# Altium PCB Copy of GameBoard_V1I1_083018.PcbDoc (part 13 of 21) (continued)
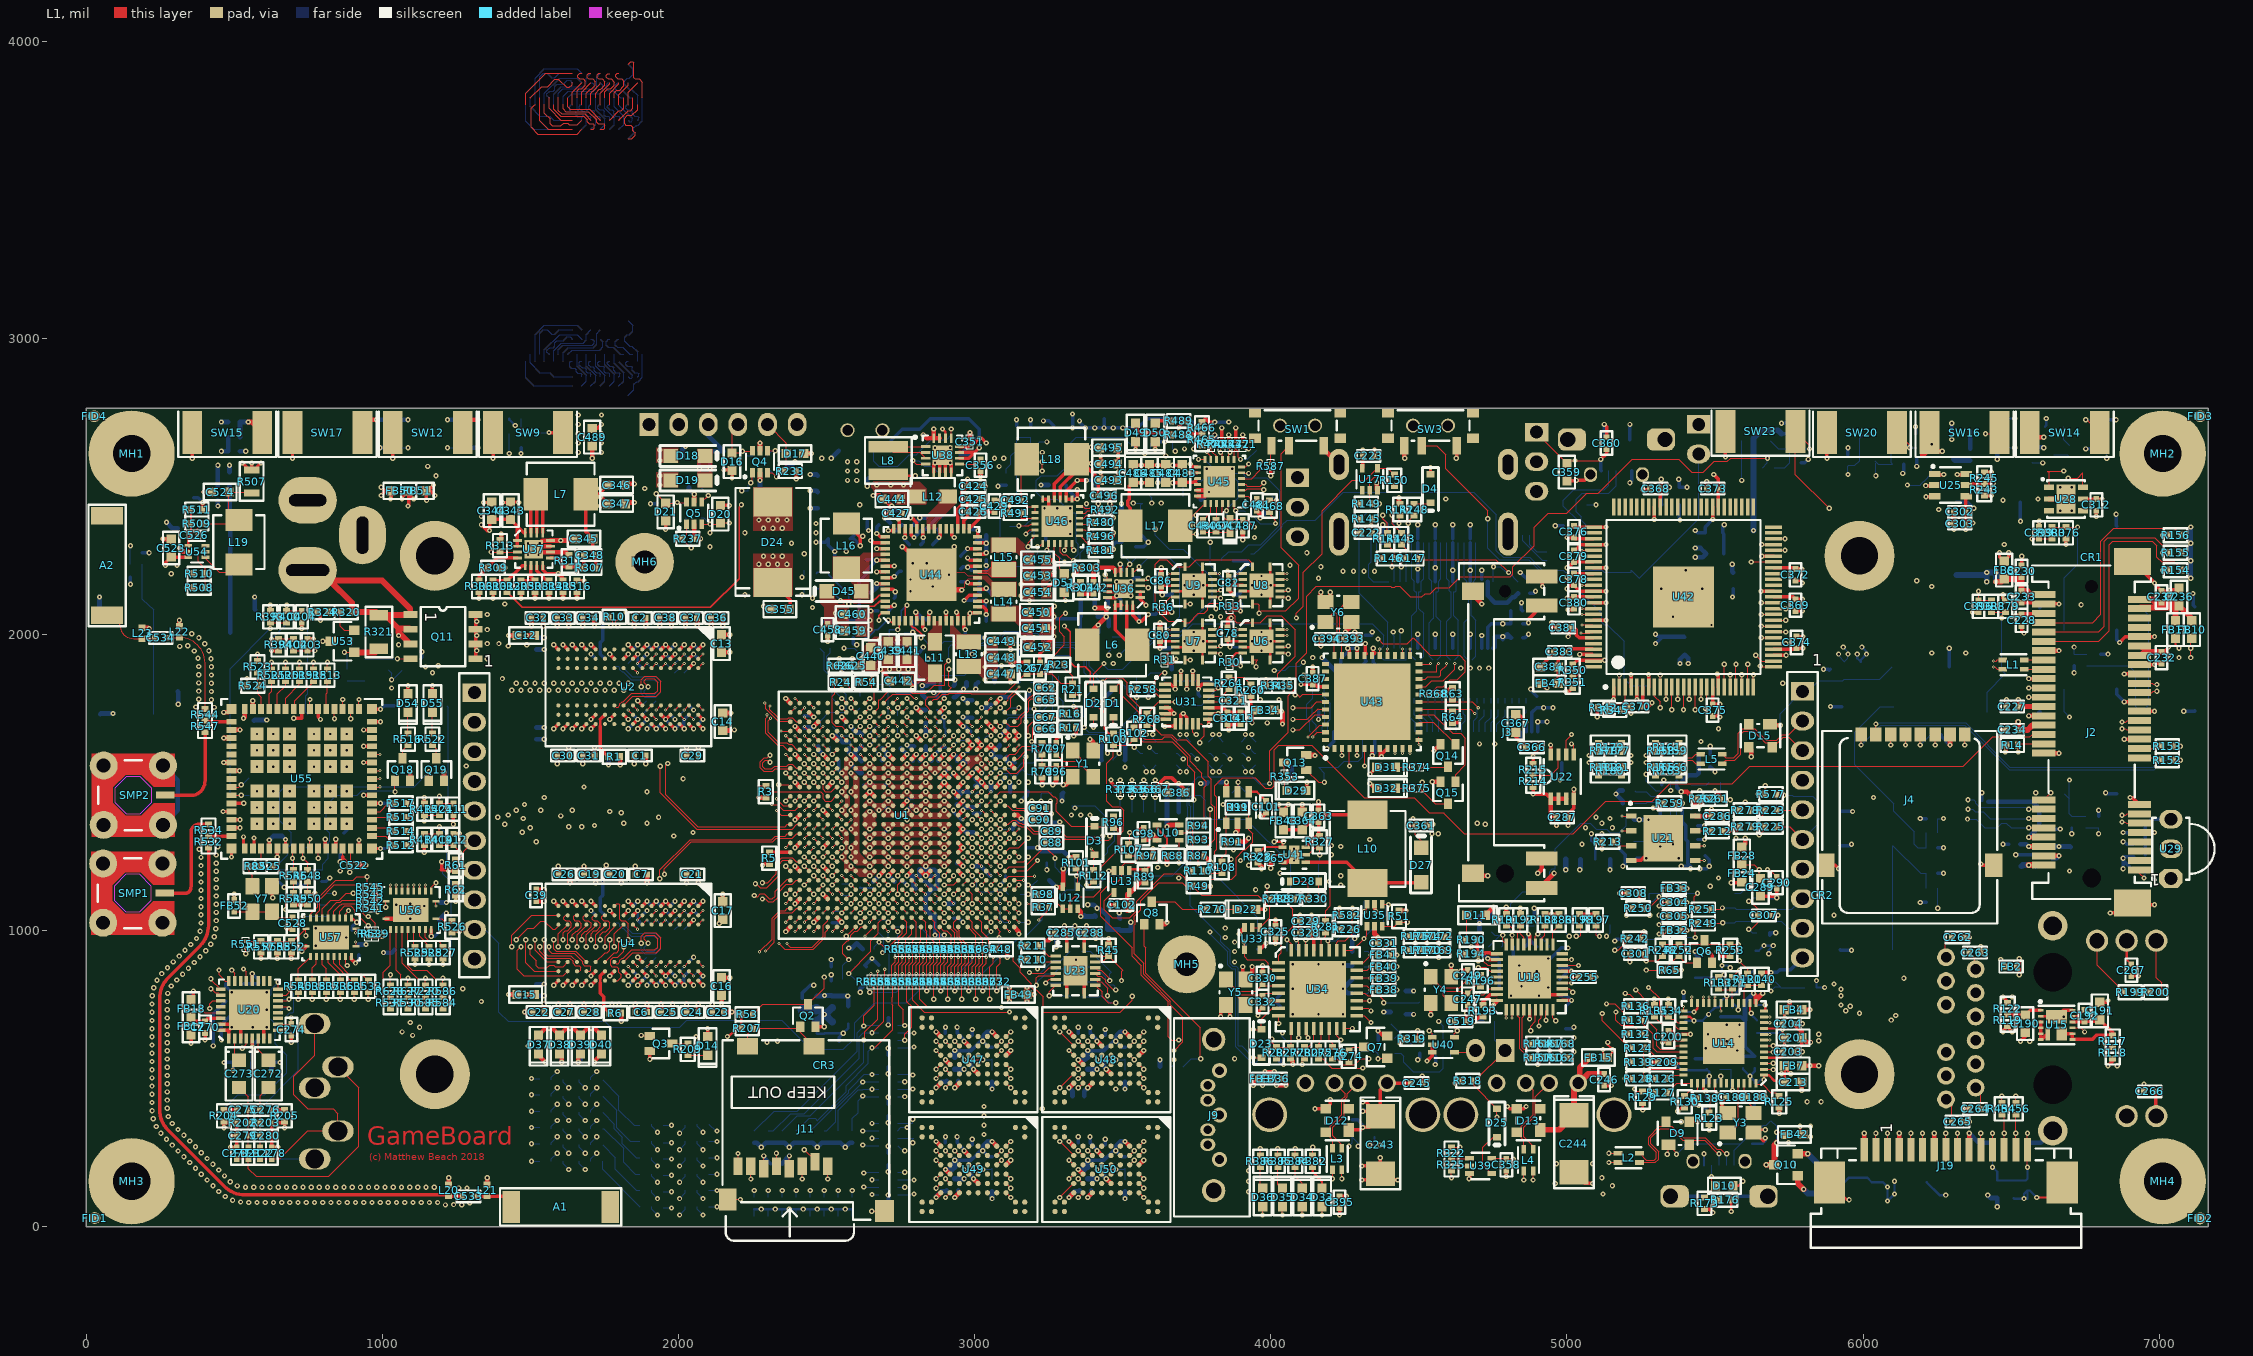
[diagram p0: L1 view]
## Nets (pads, with @x,y where several pads share a name; then routed paths per layer and width w, separated by ;. In a path a pad name is that pad's centre, name@x,y a point inside that pad or via, vN(x,y) a via of type N, cw(c..) or ccw(c..) an arc to the next point about the centre after c; other vN are vias at no path point) (continued)
  L1 w11.81: v1(358.27,2594.49) SW15.1@358.27,2681.1 ; v1(401.57,629.92) C270.2@401.57,653.54 ; U20.32@454.33,663.39 U20.33@482.28,663.39 ; U20.31@454.33,683.07 U20.33@501.97,683.07 ; v2(465.47,334.06) R204.1@465.47,354.49 469.41,350.55 R202.1@508.78,350.55 C277.2@508.78,267.87 508.62,267.72 v2(488.19,267.72) ; U20.1@482.28,635.43 U20.33@482.28,663.39 ; v2(488.19,307.09) C279.2@508.62,307.09 ; U20.3@521.65,635.43 U20.33@521.65,702.76 ; U20.7@600.39,635.43 600.39,683.07 v1(551.18,732.28) U20.33@521.65,702.76 ; v2(647.32,267.87) C278.2@626.89,267.87 R203.1@626.89,350.55 666.26,350.55 R205.1@670.2,354.49 v2(670.2,334.06) ; v1(692.91,622.05) C274.2@692.91,645.67 ; v1(696.85,2594.49) SW17.1@696.85,2681.1 ; R549.1@700.79,1086.61 v1(724.41,1086.61) R550.1@748.03,1086.61 ; v1(728.35,2019.69) C404.2@728.35,2039.37 ; C403.2@748.03,1984.25 v1(767.72,1984.25) ; R324.1@779.53,2074.8 791.34,2062.99 v1(791.34,2047.24) ; v1(799.21,1976.38) U53.3@826.77,1976.38 ; v1(1035.43,2594.49) SW12.1@1035.43,2681.1 ; C412.2@1240.16,1326.77 v1(1259.84,1326.77) ; v1(1240.16,1358.27) C411.2@1240.16,1389.76 ; v1(1374.02,2594.49) SW9.1@1374.02,2681.1 ; v2(1578.74,814.96) U4.T9@1594.49,830.71 ; v2(1578.74,1098.43) U4.T1@1594.49,1082.68 ; v2(1578.74,1681.1) U2.T9@1594.49,1696.85 ; v2(1578.74,1964.57) U2.T1@1594.49,1948.82 ; v2(1641.73,814.96) U4.P9@1657.48,830.71 ; v2(1641.73,1098.43) U4.P1@1657.48,1082.68 ; v2(1641.73,1681.1) U2.P9@1657.48,1696.85 ; v2(1641.73,1964.57) U2.P1@1657.48,1948.82 ; v2(1704.72,814.96) U4.M9@1720.47,830.71 ; v2(1704.72,1098.43) U4.M1@1720.47,1082.68 ; v2(1704.72,1681.1) U2.M9@1720.47,1696.85 ; v2(1704.72,1964.57) U2.M1@1720.47,1948.82 ; U4.J8@1814.96,862.2 v2(1830.71,846.46) ; U4.J2@1814.96,1051.18 v2(1830.71,1066.93) ; U2.J8@1814.96,1728.35 v2(1830.71,1712.6) ; U2.J2@1814.96,1917.32 v2(1830.71,1933.07) ; v2(1862.2,814.96) U4.G9@1877.95,830.71 ; v2(1862.2,1681.1) U2.G9@1877.95,1696.85 ; U4.G8@1877.95,862.2 v2(1893.7,846.46) ; U4.G1@1877.95,1082.68 v2(1893.7,1098.43) ; U2.G8@1877.95,1728.35 v2@1893.7,1712.6 ; U2.G1@1877.95,1948.82 v2(1893.7,1964.57) ; v1(1903.54,564.96) Q3.2@1903.54,592.52 ; U4.F9@1909.45,830.71 v2(1925.2,814.96) ; U2.F9@1909.45,1696.85 v2(1925.2,1681.1) ; U4.E8@1940.94,862.2 v2(1956.69,846.46) U4.D8@1972.44,862.2 ; U4.E2@1940.94,1051.18 v2(1956.69,1066.93) ; U4.E1@1940.94,1082.68 v2(1956.69,1098.43) U4.D1@1972.44,1082.68 ; U2.E8@1940.94,1728.35 v2(1956.69,1712.6) U2.D8@1972.44,1728.35 ; U2.E2@1940.94,1917.32 v2(1956.69,1933.07) ; U2.E1@1940.94,1948.82 v2(1956.69,1964.57) U2.D1@1972.44,1948.82 ; v1(1956.69,2354.33) D21.2@1956.69,2383.86 ; U4.B9@2035.43,830.71 v2(2051.18,814.96) ; U4.B3@2035.43,1019.68 v2(2051.18,1035.43) ; U4.B1@2035.43,1082.68 v2(2051.18,1098.43) ; U2.B9@2035.43,1696.85 v2(2051.18,1681.1) ; U2.B3@2035.43,1885.83 v2(2051.18,1901.58) ; U2.B1@2035.43,1948.82 v2(2051.18,1964.57) ; U4.A9@2066.93,830.71 v2(2082.68,814.96) ; U2.A9@2066.93,1696.85 v2(2082.68,1681.1) ; D20.2@2141.73,2435.04 v1(2171.26,2435.04) ; v1(2153.54,2555.12) 2179.13,2555.12 D16.2@2181.1,2553.15 v1(2181.1,2527.56) ; v1(2283.46,1220.47) 2287.4,1224.41 R5.2@2307.09,1224.41 ; v1(2287.4,2094.49) 2296.81,2085.08 C355.2@2312.99,2085.08 ; Q2.2@2462.6,675.2 v1(2492.13,675.2) ; U44.48@2698.82,2230.31 v2(2728.35,2230.31) ; C442.2@2773.62,1842.52 2797.24,1818.9 v1(2791.34,1818.9) ; v2(2801.18,2074.8) 2805.12,2070.87 U44.5@2805.12,2045.28 ; U38.5@2862.2,2547.24 2862.2,2574.8 U38.17@2881.89,2594.49 ; U38.6@2881.89,2547.24 U38.17@2881.89,2594.49 ; U38.7@2901.57,2547.24 U38.17@2901.57,2594.49 ; v1(2917.32,2578.74) U38.17@2901.57,2594.49 ; U38.8@2921.26,2547.24 U38.17@2921.26,2574.8 ; U44.32@2923.23,2356.3 2923.23,2334.65 v2(2931.1,2326.77) ; U44.14@2982.28,2045.28 2982.28,2068.9 2986.22,2072.84 U44.15@3009.84,2072.84 ; C425.2@3015.75,2456.69 3031.5,2456.69 v1(3035.43,2452.76) ; C429.2@3066.93,2452.76 v1(3086.61,2452.76) ; C447.2@3120.08,1866.14 3120.08,1840.55 v1(3122.05,1838.58) ; C449.2@3120.08,1976.38 3120.08,1950.79 v1(3122.05,1948.82) ; v1(3125.98,1893.7) 3122.05,1893.7 3120.08,1895.67 C448.2@3120.08,1921.26 3135.83,1905.51 R26.1@3177.17,1905.51 ; C74.2@3220.47,1905.51 3220.47,1935.04 C452.2@3242.13,1956.69 3242.13,1966.54 v2(3267.72,1992.13) ; U46.18@3230.32,2456.69 U46.17@3250,2456.69 3250,2411.42 v1(3279.53,2381.89) ; C451.2@3238.19,2019.68 3263.78,2019.68 v2(3267.72,2023.62) ; C450.2@3238.19,2074.8 C450.2@3248.03,2074.8 ; C454.2@3242.13,2141.73 3242.13,2151.57 v2(3267.72,2177.17) ; C453.2@3242.13,2196.85 3255.91,2196.85 v2(3267.72,2208.66) ; C455.2@3242.13,2251.97 3259.84,2251.97 v2(3267.72,2244.09) ; 3251.97,964.57 3244.09,964.57 C285.2@3271.65,992.13 ; v2(3267.72,2059.06) 3251.97,2074.8 C450.2@3248.03,2074.8 ; v1(3269.68,2094.49) 3267.72,2094.49 C450.2@3248.03,2074.8 ; C97.2@3275.59,1633.86 3275.59,1645.67 v1(3287.4,1657.48) ; v1(3318.9,1248.03) R101.1@3342.52,1248.03 ; v1(3334.65,1657.48) 3342.52,1665.35 R17.1@3342.52,1685.04 ; v1(3334.65,1755.91) 3342.52,1748.03 R16.1@3342.52,1732.28 ; v1(3334.65,2169.29) 3350.39,2169.29 R304.1@3358.27,2177.17 ; R496.1@3444.88,2330.71 3468.5,2330.71 v1(3468.5,2342.52) ; U36.12@3448.43,2124.02 U36.17@3474.41,2124.02 ; U36.11@3448.43,2143.7 U36.17@3494.09,2143.7 ; U36.10@3448.43,2163.39 3494.09,2163.39 U36.17@3503.94,2153.54 U36.17@3494.09,2143.7 ; R492.1@3451.38,2421.26 3464.57,2434.45 v1@3463.29,2435.73 ; v1(3452.76,1082.68) 3456.69,1086.61 C102.2@3476.38,1086.61 ; v1(3452.76,1200.79) 3468.5,1200.79 U13.3@3470.47,1202.76 ; v1(3456.69,2440.94) C496.2@3456.69,2468.5 ; v1(3460.63,1507.87) 3460.63,1500 3473.82,1486.81 R373.1@3492.13,1486.81 ; v1(3480.31,2129.92) U36.17@3494.09,2143.7 ; C493.2@3482.28,2519.69 3484.25,2521.65 v1(3484.25,2547.24) ; C494.2@3482.28,2574.8 3484.25,2576.77 v1(3484.25,2602.36) 3484.25,2631.89 C495.2@3482.28,2629.92 ; C486.2@3535.43,2572.83 3537.4,2570.87 v1(3562.99,2570.87) 3588.58,2570.87 C485.2@3590.55,2572.83 3592.52,2570.87 v1(3618.11,2570.87) 3643.7,2570.87 C484.2@3645.67,2572.83 3647.64,2570.87 v1(3669.29,2570.87) 3698.82,2570.87 C483.2@3700.79,2572.83 ; v1(3612.21,1712.6) U31.7@3642.72,1712.6 ; v1(3641.73,1688.98) 3668.31,1688.98 ; R31.1@3641.73,1902.95 3666.73,1902.95 v2(3680.12,1916.34) ; U31.6@3642.72,1732.28 v1(3673.23,1732.28) ; U31.1@3642.72,1830.71 3662.54,1830.71 v1@3677.17,1816.08 ; v1(3677.17,1814.96) v1@3677.17,1816.08 ; U31.24@3677.17,1845.47 v1@3677.17,1816.08 ; U31.9@3696.85,1697.83 v1@3696.85,1728.35 ; U31.23@3696.85,1845.47 v1(3696.85,1875.98) ; v1(3704.72,1732.28) 3716.54,1720.47 U31.10@3716.54,1697.83 ; v1(3716.54,1814.96) U31.22@3716.54,1845.47 ; U31.21@3736.22,1845.47 v1(3736.22,1875.98) ; v1(3755.91,1814.96) v1@3755.91,1818.87 ; U31.20@3755.91,1845.47 v1@3755.91,1818.87 ; U31.13@3790.35,1712.6 3791.34,1711.61 v1(3791.34,1692.91) ; U31.19@3790.35,1830.71 3767.75,1830.71 v1@3755.91,1818.87 ; U31.14@3792.32,1732.28 v1(3822.83,1732.28) ; v1(3830.71,708.66) Y5.2@3830.71,732.28 ; v1(3854.33,2212.6) 3854.33,2196.85 C82.2@3858.27,2192.91 ; v1(3862.2,708.66) Y5.2@3862.2,732.28 ; R30.1@3862.2,1895.08 3896.26,1895.08 v2(3897.64,1893.7) ; Y5.4@3905.51,854.33 v1(3905.51,877.95) ; v1(3956.69,712.6) 3956.69,724.41 C332.1@3972.44,740.16 ; C330.1@3972.44,858.27 v1(3972.44,881.89) ; C328.2@4098.43,992.13 C329.2@4098.43,1031.5 ; v1(4149.61,397.64) D12.3@4185.04,397.64 4200.79,413.39 v1(4200.79,429.13) ; C395.2@4232.28,102.36 v1(4255.91,102.36) ; v2(4259.84,1952.76) 4265.75,1946.85 U43.31@4265.75,1929.13 ; U43.30@4291.34,1929.13 v2(4291.34,1952.76) ; v1(4307.09,157.48) 4348.43,157.48 C243.2@4370.08,179.13 ; v1(4307.09,204.72) 4344.49,204.72 C243.2@4370.08,179.13 ; v1(4342.52,1590.55) U43.6@4342.52,1614.17 ; U35.2@4350.39,1088.58 4350.39,1066.93 v1(4354.33,1062.99) ; v1(4370.08,232.28) 4370.08,190.94 4375.98,185.04 C243.2@4370.08,179.13 ; v1(4385.83,940.94) C331.2@4401.57,956.69 ; v1(4429.13,157.48) 4391.73,157.48 C243.2@4370.08,179.13 ; C245.2@4511.81,484.25 v1(4511.81,507.87) ; v1(4527.56,559.06) 4545.28,576.77 U40.3@4545.28,588.58 U40.2@4545.28,614.17 ; v1(4540.35,715.55) Y4.2@4540.35,754.92 ; Y4.4@4609.25,843.5 v1(4609.25,882.87) ; v1(4625.98,2594.49) 4627.95,2596.46 SW3.1@4627.95,2635.83 ; v1(4633.86,921.26) R194.1@4657.48,921.26 ; v1(4641.73,862.2) 4645.67,866.14 C249.2@4665.35,866.14 ; C519.1@4661.42,692.91 v1(4661.42,720.47) 4665.35,724.41 C247.2@4665.35,748.03 ; v1(4669.29,161.42) 4671.26,163.39 U39.3@4671.26,179.13 ; v1(4688.98,692.91) 4704.72,708.66 R193.2@4716.54,708.66 ; v1(4795.28,169.29) C358.1@4795.28,188.98 ; v1(4799.21,405.51) 4807.09,397.64 D13.3@4830.71,397.64 4854.33,397.64 v1(4862.2,405.51) ; C367.2@4826.77,1728.35 4838.58,1728.35 v1(4862.2,1704.72) ; R192.1@4842.52,1055.12 v1(4842.52,1074.8) ; v1(4870.08,2039.37) 4870.08,2051.18 J3.4@4915.35,2096.46 ; U18.37@4874.02,842.52 4933.07,783.46 U18.11@4984.25,783.46 ; R215.2@4885.83,1562.99 v1(4885.83,1586.61) 4885.83,1594.49 4901.57,1610.24 C366.2@4901.57,1618.11 ; C384.2@4911.42,1889.76 4911.42,1891.73 v1(4940.94,1921.26) 4940.94,1925.2 C383.2@4956.69,1940.94 ; J3.5@4915.35,2194.88 4917.32,2192.91 v1(4917.32,2161.42) ; v1(4948.82,2039.37) 4948.82,2035.43 4968.5,2015.75 C381.2@4968.5,2022.64 ; v1(4996.06,1807.09) 5007.87,1807.09 R351.1@5019.69,1818.9 ; v1(5000,2153.54) 5011.81,2165.35 C378.2@5023.62,2165.35 5043.31,2145.67 U42.87@5089.57,2145.67 v2(5131.89,2145.67) ; C359.2@5000,2517.72 5029.53,2517.72 v1(5031.5,2519.68) 5060.04,2519.68 J18.6@5079.72,2539.37 ; v1(5003.94,1354.33) C287.1@5003.94,1381.89 5003.94,1393.7 5022.64,1412.4 U22.4@5022.64,1444.88 5023.62,1445.87 v1(5023.62,1476.38) ; v1(5003.94,2082.68) 5019.69,2082.68 C380.2@5023.62,2086.61 ; C244.2@5023.62,183.07 5061.02,145.67 v1(5086.61,145.67) ; C379.2@5023.62,2283.46 5027.56,2283.46 5047.24,2303.15 U42.79@5089.57,2303.15 v2(5131.89,2303.15) ; C376.2@5023.62,2366.14 5027.56,2362.2 U42.76@5089.57,2362.2 v2(5131.89,2362.2) ; v2(5043.31,1932.09) U42.98@5085.63,1932.09 ; U42.92@5089.57,2047.24 v2(5131.89,2047.24) ; U42.89@5089.57,2106.3 v2(5131.89,2106.3) ; U42.83@5089.57,2224.41 v2(5131.89,2224.41) ; C246.2@5125.98,476.38 v1(5149.61,476.38) ; v1(5125.98,2708.66) 5133.86,2700.79 C360.2@5133.86,2665.35 ; v2(5157.48,1779.53) U42.1@5157.48,1821.85 ; R345.1@5181.1,1744.09 5205.71,1744.09 v2(5216.54,1733.27) ; v1(5200.79,555.12) R139.1@5220.47,555.12 ; v1(5212.6,893.7) C301.2@5212.6,921.26 ; U21.4@5216.54,1236.22 5249.8,1236.22 U21.9@5324.8,1311.22 ; U42.4@5216.54,1821.85 v2(5216.54,1864.17) ; v2(5236.22,1779.53) U42.5@5236.22,1821.85 ; v1(5244.09,1102.36) 5244.09,1122.05 C308.2@5248.03,1125.98 ; v1(5255.91,2488.19) 5275.59,2488.19 C368.2@5279.53,2492.13 ; v1(5283.46,555.12) C209.2@5299.21,555.12 ; v2(5295.28,2387.8) U42.68@5295.28,2430.12 ; C209.2@5307.09,555.12 C209.2@5299.21,555.12 ; C209.2@5307.09,562.99 C209.2@5299.21,555.12 ; C200.2@5350.39,661.42 5362.6,649.21 U14.29@5394.09,649.21 ; C305.1@5381.89,1047.24 v1(5405.51,1047.24) ; C304.2@5381.89,1094.49 v1(5405.51,1094.49) ; U14.29@5397.64,649.61 v1(5417.32,649.61) ; v1(5444.88,409.45) 5437.01,409.45 5429.13,417.32 R138.1@5444.88,433.07 ; C373.2@5472.44,2492.13 v1(5472.44,2515.75) ; v1(5476.38,929.13) 5490.16,915.35 Q6.2@5490.16,891.73 ; C375.2@5492.13,1724.41 5511.81,1724.41 v1(5515.75,1720.47) ; v2(5492.13,2387.8) U42.58@5492.13,2430.12 ; v1(5507.87,929.13) 5523.62,913.39 R253.1@5551.18,913.39 ; v1(5507.87,1866.14) 5511.81,1862.2 U42.19@5511.81,1821.85 ; v1(5527.56,1366.14) C286.2@5527.56,1385.83 ; v1(5535.43,2598.43) SW23.1@5535.43,2685.04 ; C189.2@5539.37,437.01 5523.62,421.26 v1(5523.62,417.32) 5523.62,407.48 Y3.4@5543.31,387.8 ; C188.2@5645.67,440.94 C188.2@5649.61,437.01 v1(5669.29,437.01) ; C289.2@5653.54,1116.14 5702.76,1116.14 v1(5708.66,1110.24) C290.1@5708.66,1141.73 ; v2(5655.51,2145.67) U42.39@5697.83,2145.67 ; R140.1@5657.48,854.33 5665.35,854.33 5669.29,858.27 v1(5688.98,858.27) ; v2(5657.48,2263.78) U42.45@5697.83,2263.78 ; C307.2@5685.04,1051.18 v1(5712.6,1051.18) ; U42.28@5697.83,1929.13 v2(5740.16,1929.13) ; C203.2@5767.72,590.55 5793.31,616.14 C201.2@5793.31,637.8 ; C369.2@5771.65,2078.74 v2(5795.28,2078.74) ; C374.2@5773.62,1992.13 C374.2@5775.59,1992.13 v2(5797.24,1992.13) ; J4.G2@5874.02,1220.47 5905.51,1220.47 v1(5917.32,1208.66) ; v1(5877.95,2594.49) SW20.1@5877.95,2681.1 ; v2(6211.61,2501.97) 6240.16,2501.97 U25.2@6242.13,2503.94 ; v2(6287.4,2374.02) C303.1@6307.09,2374.02 v2(6307.09,2354.33) ; v2(6370.08,2074.8) C396.2@6389.76,2074.8 ; v1(6397.64,1224.41) 6401.57,1220.47 J4.G1@6440.94,1220.47 ; R245.1@6409.45,2547.24 6411.42,2549.21 6413.39,2547.24 v2(6433.07,2547.24) ; C227.2@6484.25,1755.91 v1(6484.25,1779.53) ; v1(6511.81,2122.05) 6527.56,2106.3 C233.2@6535.43,2106.3 6606.3,2106.3 J2.50@6610.24,2102.36 v1(6661.42,2102.36) ; v1(6531.5,625.98) 6547.24,641.73 C190.2@6547.24,655.51 ; C228.2@6535.43,2027.56 6535.43,2011.81 v1(6543.31,2003.94) ; C230.2@6535.43,2232.28 v1(6535.43,2263.78) ; v1(6559.06,1850.39) J2.34@6610.24,1850.39 ; C399.2@6594.49,2361.22 v2(6594.49,2381.89) ; U15.13@6653.54,708.6 6675.26,730.31 U15.12@6707.09,730.31 ; v2(6787.4,2397.64) C312.2@6787.4,2417.32 ; C191.2@6799.21,757.87 6820.87,757.87 v1(6826.77,763.78) ; v1(6834.65,1059.06) 6875.98,1059.06 J2.53@6909.45,1092.52 6915.35,1086.61 v1(6984.25,1086.61) ; v1(6866.14,1972.44) 6885.83,1992.13 J2.43@6933.07,1992.13 v1(6984.25,1992.13) ; v1(6881.89,1645.67) J2.21@6933.07,1645.67 ; v1(6881.89,1771.65) J2.29@6933.07,1771.65 ; v1(6881.89,1866.14) J2.35@6933.07,1866.14 ; v1(6901.57,1448.82) 6909.45,1448.82 J2.15@6933.07,1425.2 ; C267.2@6905.51,846.46 v1(6929.13,846.46) ; J2.54@6909.45,2246.06 6911.42,2246.06 v1(6984.25,2173.23) 6984.25,2169.29 C237.2@7007.87,2145.67 7031.5,2145.67 v1(7035.43,2149.61) 7061.02,2149.61 C236.2@7066.93,2155.51 ; J2.9@6933.07,1330.71 v1(6984.25,1330.71) ; J2.27@6933.07,1740.16 v1(6984.25,1740.16) ; J2.37@6933.07,1897.64 v1(6984.25,1897.64) 6988.19,1901.57 C232.2@7007.87,1901.57 ; C266.2@6948.82,456.69 v1(6948.82,480.32) ; U20.33@482.28,663.39 v1(492.13,673.23) U20.33@501.97,683.07 ; U20.33@501.97,683.07 U20.33@521.65,702.76 ; U38.17@2881.89,2594.49 U38.17@2891.73,2604.33 U38.17@2901.57,2594.49 ; R138.1@5444.88,433.07 5444.88,437.01 R138.1@5444.88,433.07
  L1 w15.75: L23.2@188.98,2022.64 209.65,2022.64 v1(212.6,2019.68) ; v1(259.84,2322.83) 261.81,2320.87 C523.2@287.4,2320.87 ; L22.2@314.96,2026.57 v1(314.96,2047.24) ; v1(314.96,2291.34) 326.77,2279.53 U54.2@344.88,2279.53 ; R511.1@393.7,2421.26 v1(393.7,2444.88) ; v1(397.64,2480.31) C524.2@423.23,2480.31 ; v1(464.57,1566.93) U55.23@491.14,1566.93 ; v1(464.57,1649.61) U55.20@491.14,1649.61 ; v1(464.57,1736.22) 480.32,1736.22 U55.17@491.14,1747.05 ; U55.24@491.14,1539.37 v1(517.72,1539.37) ; U55.19@491.14,1677.17 v1(519.68,1677.17) ; v1(531.5,1716.54) 535.43,1720.47 U55.16@535.43,1747.05 ; U55.15@562.99,1747.05 v1(562.99,1775.59) ; v1(677.17,1007.87) 692.91,1007.87 C528.1@696.85,1003.94 ; v1(692.91,905.51) R552.1@692.91,925.2 ; v1(728.35,929.13) 728.35,933.07 U57.11@742.13,946.85 ; U56.11@1011.81,1039.37 1066.93,1039.37 U56.21@1096.46,1068.9 ; Q18.2@1093.9,1505.96 1094.49,1506.56 v1(1094.49,1535.43) ; Q19.2@1208.07,1505.96 1208.66,1506.56 v1(1208.66,1535.43) ; L20.2@1224.41,140.75 v1(1224.41,165.35) ; L21.2@1354.33,140.75 v1(1354.33,165.35) ; R309.1@1393.7,2224.41 v1(1413.39,2224.41) ; v2(1427.17,783.46) C15.2@1454.72,783.46 ; v2(1427.17,1996.06) C12.2@1454.72,1996.06 ; v2(1480.31,724.41) C22.2@1507.87,724.41 ; v2(1503.94,2027.56) C32.2@1503.94,2055.12 ; v1(1515.75,2122.05) R308.1@1515.75,2141.73 ; C39.2@1519.69,1137.8 v2(1547.24,1137.8) ; v1(1562.99,2122.05) R314.1@1562.99,2141.73 ; U37.11@1567.32,2297.24 U37.17@1521.65,2297.24 ; v2(1590.55,1562.99) C30.2@1590.55,1590.55 ; v2(1590.55,2027.56) C33.2@1590.55,2055.12 ; C27.2@1594.49,724.41 v2(1594.49,751.97) ; C26.2@1594.49,1188.98 v2(1594.49,1216.54) ; v1(1610.24,2122.05) R315.1@1610.24,2141.73 ; R311.1@1629.92,2267.72 1620.08,2277.56 U37.10@1567.32,2277.56 1521.65,2277.56 U37.17@1511.81,2287.4 U37.17@1521.65,2297.24 ; C345.2@1651.57,2322.83 1645.67,2316.93 v1(1602.36,2316.93) U37.12@1567.32,2316.93 1567.32,2315.75 1540.16,2315.75 U37.17@1521.65,2297.24 ; v1(1657.48,2122.05) R316.1@1657.48,2141.73 ; v2(1677.17,1562.99) C31.2@1677.17,1590.55 ; v2(1677.17,2027.56) C34.2@1677.17,2055.12 ; C28.2@1681.1,724.41 v2(1681.1,751.97) ; C19.2@1681.1,1188.98 v2(1681.1,1216.54) ; v1(1708.66,2594.49) C489.2@1708.66,2635.83 ; v2(1803.15,1559.06) R1.1@1803.15,1586.61 ; v2(1807.09,692.91) R6.1@1807.09,720.47 ; v2(1807.09,1161.42) C20.2@1807.09,1188.98 ; C347.2@1820.87,2440.94 1824.8,2444.88 v1(1850.39,2444.88) ; C346.2@1820.87,2503.94 1824.8,2507.87 v1(1850.39,2507.87) ; v2(1889.76,1562.99) C1.2@1889.76,1590.55 ; v2(1889.76,2027.56) C2.2@1889.76,2055.12 ; C6.2@1893.7,724.41 v2(1893.7,751.97) ; v2(1893.7,1161.42) C7.2@1893.7,1188.98 ; v2(1976.38,2027.56) C38.2@1976.38,2055.12 ; C25.2@1980.32,724.41 v2(1980.32,751.97) ; v2(2062.99,2027.56) C37.2@2062.99,2055.12 ; C24.2@2066.93,724.41 v2(2066.93,751.97) ; v2(2066.93,1161.42) C21.2@2066.93,1188.98 ; C29.2@2066.93,1590.55 v2(2066.93,1618.11) ; v2(2137.8,1023.62) 2137.8,1025.59 C17.2@2149.61,1037.4 ; v2(2145.67,753.94) C16.2@2145.67,781.5 ; C13.2@2145.67,1998.03 v2(2173.23,1998.03) ; C14.2@2149.61,1734.25 v2(2177.17,1734.25) ; v2(2149.61,2027.56) C36.2@2149.61,2055.12 ; C23.2@2153.54,724.41 v2(2181.1,724.41) ; v1(2271.65,1448.82) R3.1@2295.28,1448.82 ; v2(2362.2,996.06) U1.AE25@2377.95,1011.81 ; v2(2362.2,1783.47) U1.AE1@2377.95,1767.72 ; v2(2393.7,1090.55) U1.AD22@2409.45,1106.3 ; v2(2393.7,1216.54) U1.AD19@2409.45,1200.79 ; v2(2393.7,1279.53) U1.AD16@2409.45,1295.28 ; v2(2393.7,1374.02) U1.AD13@2409.45,1389.76 ; v2(2393.7,1500) U1.AD10@2409.45,1484.25 ; v2(2393.7,1594.49) U1.AD7@2409.45,1578.74 ; v2(2393.7,1688.98) U1.AD4@2409.45,1673.23 ; D17.2@2423.23,2610.24 v1(2448.82,2610.24) ; v2(2456.69,1027.56) U1.AB24@2472.44,1043.31 ; v2(2456.69,1688.98) U1.AB3@2472.44,1704.73 ; v2(2488.19,1122.05) U1.AA22@2503.94,1106.3 ; v2(2488.19,1216.54) U1.AA19@2503.94,1200.79 ; v2(2488.19,1279.53) U1.AA16@2503.94,1295.28 ; v2(2488.19,1405.51) U1.AA13@2503.94,1389.76 ; v2(2488.19,1594.49) U1.AA7@2503.94,1578.74 ; U1.AA10@2503.94,1484.25 v2(2519.69,1500) ; v1(2503.94,1976.38) C458.2@2503.94,1996.06 ; v2(2519.68,1657.48) U1.Y5@2535.43,1641.73 ; U1.Y24@2535.43,1043.31 v2(2551.18,1027.56) ; v2(2551.18,1720.47) U1.W3@2566.93,1704.73 ; U1.U11@2629.92,1452.76 v2(2645.67,1468.5) U1.T11@2661.42,1452.76 ; v1(2657.48,2468.5) 2679.13,2468.5 C444.2@2690.94,2456.69 2696.85,2456.69 v1(2720.47,2433.07) ; v2(2696.85,2393.7) 2712.6,2409.45 C427.2@2716.54,2409.45 ; v2(2755.91,2295.28) 2759.84,2295.28 U44.57@2854.33,2200.79 2905.51,2149.61 v2(2956.69,2149.61) ; v2(2803.15,1657.48) U1.L5@2818.9,1641.73 ; v2(2803.15,1751.97) U1.L2@2818.9,1736.22 ; v1(2826.77,2673.23) 2838.58,2661.42 U38.16@2862.2,2661.42 ; v1(2862.2,2692.91) U38.16@2862.2,2661.42 ; v2(2870.08,98.43) U49.K8@2885.83,114.17 ; v2(2870.08,287.4) U49.K3@2885.83,271.65 ; v2(2870.08,468.5) U47.K8@2885.83,484.25 ; v2(2870.08,657.48) U47.K3@2885.83,641.73 ; U1.J2@2881.89,1736.22 v2(2897.64,1751.97) ; U38.15@2881.89,2661.42 U38.16@2862.2,2661.42 ; U1.G19@2944.88,1200.79 v2(2960.63,1185.04) ; U1.G10@2944.88,1484.25 v2(2960.63,1500) ; U1.G3@2944.88,1704.73 v2(2960.63,1688.98) ; U1.F6@2976.38,1610.24 v2(2992.13,1625.98) U1.F5@2976.38,1641.73 ; C351.2@2984.25,2660.04 v1(2984.25,2681.1) ; v2(2996.06,161.42) U49.F7@3011.81,145.67 ; v2(2996.06,531.5) U47.F7@3011.81,515.75 ; U1.E6@3007.87,1610.24 v2(3023.62,1625.98) U1.E5@3007.87,1641.73 ; C424.2@3015.75,2500 v1(3035.43,2500) ; v1(3019.68,2531.5) C356.1@3019.69,2551.18 ; U1.D6@3039.37,1610.24 v2(3055.12,1625.98) U1.C6@3070.87,1610.24 ; U1.D3@3039.37,1704.73 v2(3055.12,1688.98) U1.C4@3070.87,1673.23 ; U1.C10@3070.87,1484.25 v2(3086.61,1500) ; U1.C1@3070.87,1767.72 v2(3086.61,1783.47) ; U1.B5@3102.36,1641.73 v2(3118.11,1657.48) U1.B4@3102.36,1673.23 ; U49.C5@3106.3,208.66 v2(3122.05,224.41) ; U47.C5@3106.3,578.74 v2(3122.05,594.49) ; v2(3118.11,1562.99) U1.A8@3133.86,1547.24 ; U1.A25@3133.86,1011.81 v2@3149.61,996.06 ; U1.A13@3133.86,1389.76 3145.67,1389.76 v2(3157.48,1377.95) ; U1.A5@3133.86,1641.73 v2(3149.61,1657.48) U1.A4@3133.86,1673.23 ; v2(3228.35,1492.13) R79.2@3228.35,1515.75 ; v1(3263.78,1492.13) 3275.59,1503.94 C96.2@3275.59,1515.75 ; v1(3299.21,1492.13) 3307.09,1492.13 3331.69,1516.73 Y1.2@3331.69,1518.7 ; v2(3318.9,98.43) U50.K8@3334.65,114.17 ; v2(3318.9,287.4) U50.K3@3334.65,271.65 ; v2(3318.9,468.5) U48.K8@3334.65,484.25 ; v2(3318.9,657.48) U48.K3@3334.65,641.73 ; v1(3334.65,2200.79) R303.1@3358.27,2224.41 ; U12.3@3348.43,1072.83 3358.27,1062.99 v1(3358.27,1047.24) ; v1(3389.76,1645.67) 3400.59,1634.84 Y1.4@3400.59,1607.28 ; v1(3409.45,972.44) C288.2@3409.45,992.13 ; v2(3444.88,161.42) U50.F7@3460.63,145.67 ; v2(3444.88,531.5) U48.F7@3460.63,515.75 ; U50.C5@3555.12,208.66 v2(3570.87,224.41) ; U48.C5@3555.12,578.74 v2(3570.87,594.49) ; v1(3555.12,1330.71) 3555.12,1334.65 3566.93,1346.46 C98.2@3570.87,1346.46 ; Q8.2@3624.02,1021.65 3643.7,1021.65 v1(3649.61,1027.56) ; C80.2@3625.98,2015.75 v2(3625.98,2039.37) ; C86.2@3629.92,2200.79 v2(3629.92,2224.41) ; R36.1@3637.8,2080.12 3643.11,2074.8 v2(3665.35,2074.8) ; U31.5@3642.72,1751.97 3653.54,1751.97 v1(3673.23,1732.28) ; v1(3649.61,1350.39) 3655.51,1356.3 U10.3@3690.94,1356.3 ; v1(3649.61,1496.06) 3649.61,1467.52 C386.2@3651.57,1465.55 ; U45.18@3751.97,2466.54 3777.56,2466.54 v1(3826.77,2515.75) ; U45.17@3751.97,2486.22 U45.25@3791.34,2486.22 ; R470.1@3799.21,2652.17 3799.21,2661.42 v1(3811.02,2673.23) ; C78.2@3854.33,2023.62 3854.33,2047.24 3862.21,2055.12 v1(3866.14,2055.12) ; v1(3858.27,1677.17) 3858.27,1692.91 C314.2@3854.33,1696.85 C313.2@3897.64,1696.85 ; R33.1@3862.2,2084.06 3892.32,2084.06 v2(3897.64,2078.74) ; v1(3881.89,1330.71) 3887.8,1336.61 U11.2@3887.8,1362.2 ; v1(3893.7,988.19) 3893.7,992.13 U33.3@3911.42,1009.84 ; C321.2@3893.7,1775.59 v1(3893.7,1795.28) ; v1(3905.51,2318.9) C487.2@3905.51,2346.46 ; Y5.4@3915.35,834.65 3937.01,856.3 v1(3937.01,877.95) ; C481.2@3952.76,2417.32 3964.57,2405.51 v1(3964.57,2393.7) ; R328.1@3956.69,1228.35 3968.5,1216.54 v1(3968.5,1208.66) ; v1(3964.57,1385.83) 3966.81,1385.83 3969.63,1383.01 C101.2@3984.25,1397.64 ; v1(4000,1210.04) C365.2@4000,1233.66 ; C325.2@4015.75,1015.75 v1(4015.75,1035.43) ; U41.3@4039.57,1230.31 4053.15,1230.31 U41.7@4078.74,1255.91 ; R35.1@4062.99,1826.77 v1(4062.99,1846.46) ; U41.7@4078.74,1232.28 v1(4078.74,1236.22) ; C329.2@4098.43,1031.5 v1(4098.43,1051.18) ; C364.2@4106.3,1399.61 v1(4106.3,1425.2) ; Q13.2@4120.08,1592.52 4147.64,1592.52 v1(4149.61,1590.55) ; C387.2@4141.73,1870.08 v1(4141.73,1889.76) ; C363.2@4161.42,1405.51 v1(4161.42,1435.04) ; v1(4169.29,1960.63) C394.1@4169.29,1984.25 ; v1(4169.29,2141.73) 4169.29,2124.02 Y6.4@4185.04,2108.27 4200.79,2124.02 v1(4200.79,2141.73) ; SW1.1@4179.13,2635.83 4179.13,2624.41 J1.MTG4@4230.32,2573.23 ; v1(4251.97,2007.87) 4271.65,2027.56 Y6.2@4271.65,2041.34 ; v1(4283.46,2007.87) 4287.4,2003.94 C393.1@4287.4,1984.25 ; v1(4283.46,2342.52) C222.2@4303.15,2342.52 ; v1(4283.46,2389.76) R145.1@4303.15,2389.76 ; C223.2@4350.39,2602.36 v1(4350.39,2622.05) ; v1(4358.27,2511.81) 4358.27,2488.19 U17.3@4360.24,2486.22 ; v1(4433.07,2460.63) 4433.07,2444.88 R142.2@4437.01,2440.94 ; C361.2@4527.56,1354.33 4531.5,1358.27 v1(4547.24,1358.27) ; v1(4545.28,1501.97) Q15.2@4572.83,1501.97 ; v1(4551.18,1606.3) Q14.2@4572.83,1627.95 ; J3.3@4683.07,1192.91 4690.94,1185.04 v1(4732.28,1185.04) ; J3.6@4683.07,2145.67 4683.07,2131.89 v1(4712.6,2102.36) ; D11.1@4724.41,1051.18 v1(4751.97,1078.74) ; R191.1@4795.28,1055.12 v1(4795.28,1078.74) ; v1(4901.57,1192.91) 4915.35,1206.69 J3.2@4915.35,1242.13 ; J3.1@4915.35,1143.7 4915.35,1151.57 v1(4956.69,1192.91) ; v1(5385.83,1468.5) 5405.51,1468.5 5425.2,1448.82 5425.2,1433.07 5437.01,1421.26 v1(5448.82,1421.26) 5448.82,1437.01 R262.2@5440.94,1444.88 ; D15.3@5614.17,1618.11 5622.05,1610.24 v1(5622.05,1586.61) ; v1(5629.92,787.4) 5637.8,779.53 U14.13@5637.8,763.78 ; U14.13@5637.8,755.12 U14.13@5637.8,763.78 ; v1(5661.42,787.4) U14.13@5637.8,763.78 ; v1(5716.54,381.89) R125.2@5716.54,401.57 ; C203.2@5767.72,590.55 v1(5795.28,590.55) ; v1(5793.31,460.63) C213.2@5793.31,488.19 ; v1(5795.28,685.04) C204.2@5767.72,685.04 5793.31,659.45 C201.2@5793.31,637.8 5809.06,622.05 v1(5822.83,622.05) ; J19.1@6003.94,259.84 v1(6003.94,314.96) ; J19.4@6122.05,259.84 v1(6122.05,314.96) ; v1(6232.28,2641.73) SW16.1@6232.28,2637.8 ; J19.7@6240.16,259.84 v1(6240.16,314.96) ; v1(6267.72,2618.11) 6251.97,2618.11 SW16.1@6232.28,2637.8 ; v1(6293.31,1625.98) J4.C5@6293.31,1661.42 ; C303.1@6307.09,2374.02 C302.2@6307.09,2413.39 ; C262.1@6338.58,976.38 v1(6358.27,976.38) ; J19.10@6358.27,259.84 v1(6358.27,314.96) ; C263.1@6397.64,925.2 v1(6397.64,944.88) ; v1(6464.57,1677.17) C234.2@6484.25,1677.17 ; v1(6559.06,1724.41) J2.26@6610.24,1724.41 ; SW14.1@6562.99,2681.1 6578.74,2665.35 v1(6610.24,2665.35) ; J2.4@6610.24,1251.97 v1(6661.42,1251.97) ; J2.18@6610.24,1598.43 v1(6661.42,1598.43) ; J2.40@6610.24,1944.88 v1(6661.42,1944.88) ; U28.2@6627.95,2456.69 U28.7@6685.04,2456.69 ; SW16.1@6232.28,2637.8 6224.41,2645.67 SW16.1@6224.41,2681.1 6200.79,2657.48 6200.79,2602.36 6232.28,2633.86 SW16.1@6232.28,2637.8
  L12 w7.87: C186.2@2614.17,1143.7 2614.76,1143.11 C166.2@2657.48,1143.11 ; J5.5@5462.6,207.68 v1(5462.6,246.06) ; v1(5555.12,51.18) 5555.12,98.43 J5.9@5559.06,102.36 ; C240.2@5618.11,395.67 5633.86,411.42 C214.2@5633.86,444.88 5661.42,444.88 v1(5669.29,437.01) ; C241.2@5625.98,279.53 5661.42,279.53 5669.29,287.4 v1(5669.29,299.21) ; C357.2@6214.57,149.61 6257.87,106.3 v1(6279.53,106.3) ; C475.2@6507.87,96.46 6509.84,94.49 v1(6543.31,94.49) ; v1(6586.61,98.43) 6562.99,122.05 C476.2@6555.12,122.05 ; v1(6543.31,94.49) 6543.31,110.24 C476.2@6555.12,122.05 ; v1(6543.31,94.49) 6555.08,94.49 6555.12,94.45 C476.2@6555.12,122.05
  L12 w9.84: D8.2@6401.57,1438 v1(6401.57,1464.57)
  L12 w11.02: TP26.1@362.2,2460.63 377.95,2460.63 v1(393.7,2444.88) ; C525.1@870.08,1328.74 879.92,1338.58 v1(879.92,1360.24) ; v1(994.09,1276.57) 1031.5,1276.57 SW18.1@1041.34,1286.42 ; v1(994.09,1429.13) 1018.7,1429.13 SW19.2@1041.34,1406.5 ; v1(994.09,1747.05) 1005.91,1758.86 SW19.1@1041.34,1758.86 ; R506.1@1129.92,1917.32 1133.86,1921.26 v1(1133.86,1940.94) ; R499.1@3013.19,1649.61 3013.19,1636.42 v2(3023.62,1625.98) ; C68.2@3175.2,1468.5 C68.2@3177.17,1470.47